# Altium PCB Minion_Rev2.PcbDoc (part 8 of 11) (continued)
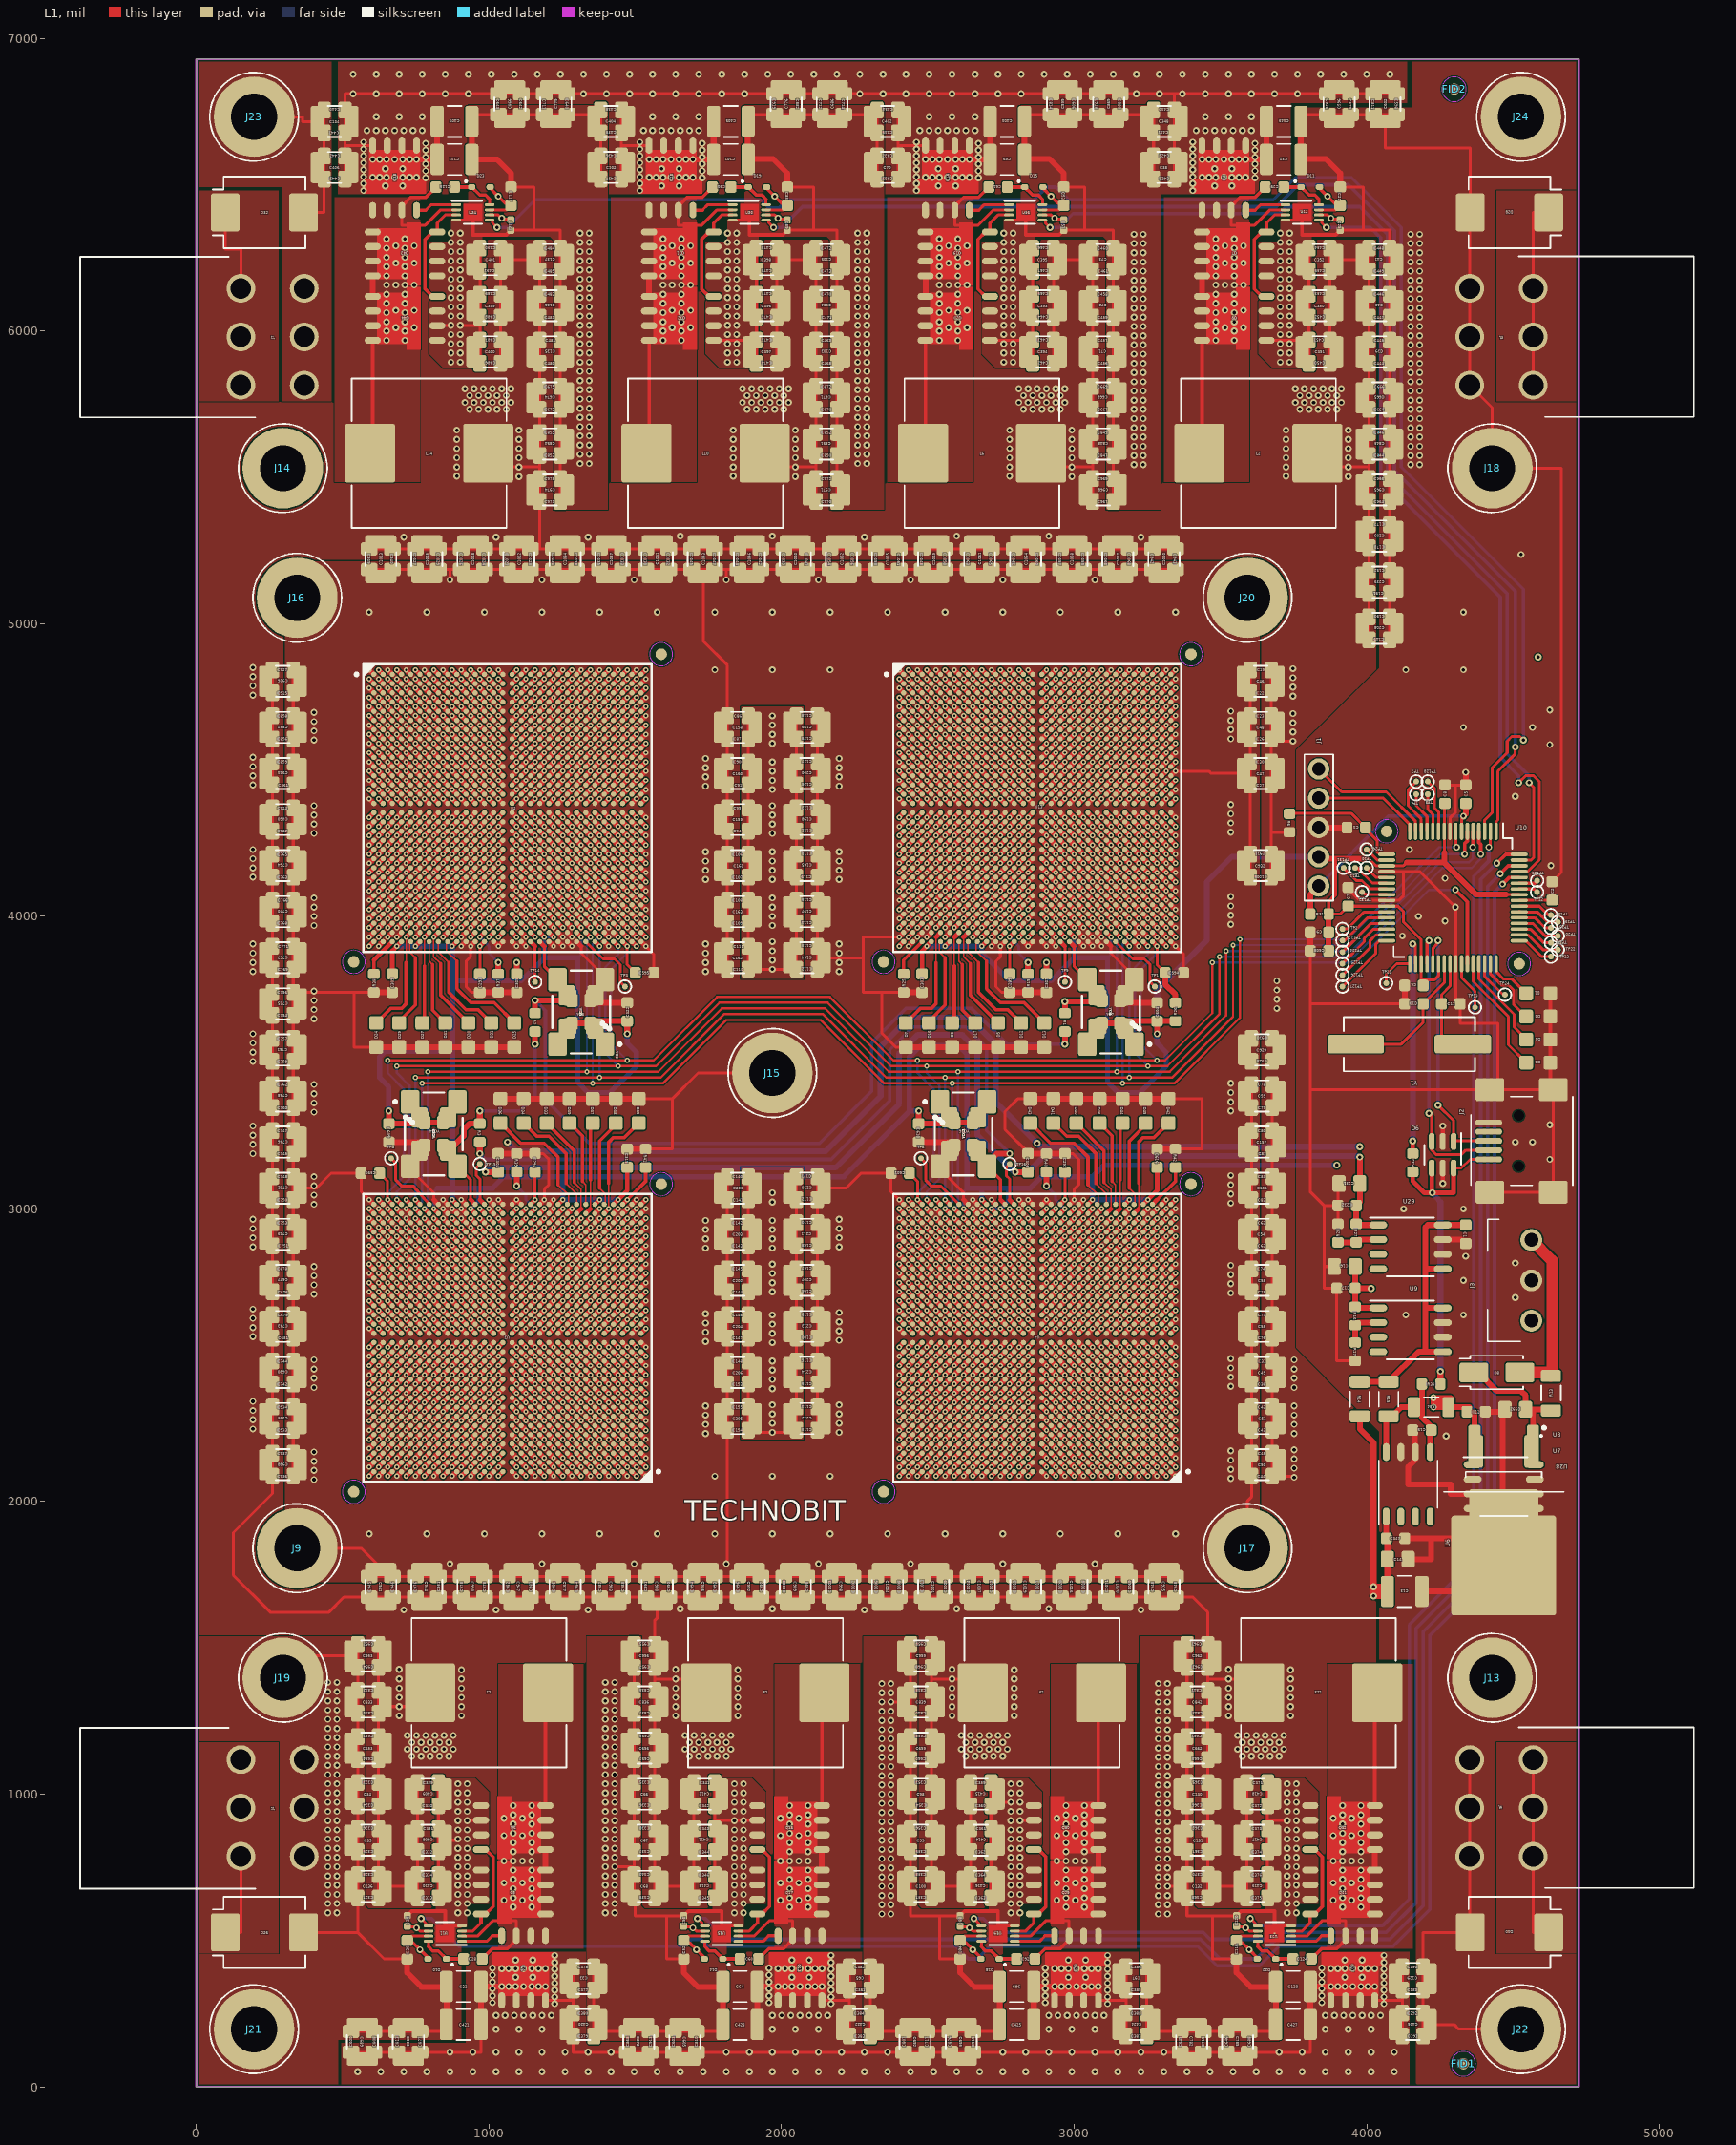
[diagram p0: L1 view]
## Nets (pads, with @x,y where several pads share a name; then routed paths per layer and width w, separated by ;. In a path a pad name is that pad's centre, name@x,y a point inside that pad or via, vN(x,y) a via of type N, cw(c..) or ccw(c..) an arc to the next point about the centre after c; other vN are vias at no path point) (continued)
  L1 w9.84: J23.1@196.85,6732.28 362.2,6732.28 362.2,6716.2 C134.1@413.07,6716.2 436.69,6716.2 ; J19.1@295.28,1397.64 370.08,1472.44 C953.1@527.56,1472.44 551.18,1472.44 ; C936.2@330.71,2086.61 330.71,2125.98 ; C927.2@330.71,4842.52 330.71,4803.15 ; J9.1@344.49,1840.55 562.99,1840.55 629.92,1773.62 C941.1@629.92,1767.72 629.92,1744.09 ; C938.1@354.33,2125.98 330.71,2125.98 ; C995.1@354.33,2283.46 330.71,2283.46 ; C680.1@354.33,2440.94 330.71,2440.94 ; C743.1@354.33,2598.43 330.71,2598.43 ; C677.1@354.33,2755.91 330.71,2755.91 ; C749.1@354.33,2913.39 330.71,2913.39 ; C746.1@354.33,3228.35 330.71,3228.35 ; C758.1@354.33,3385.83 330.71,3385.83 ; C761.1@354.33,3543.31 330.71,3543.31 ; C755.1@354.33,3700.79 330.71,3700.79 ; C767.1@354.33,3858.27 330.71,3858.27 ; C770.1@354.33,4015.75 330.71,4015.75 ; C764.1@354.33,4173.23 330.71,4173.23 ; C860.1@354.33,4330.71 330.71,4330.71 ; C923.1@354.33,4488.19 330.71,4488.19 ; C857.1@354.33,4645.67 330.71,4645.67 ; C926.1@354.33,4803.15 330.71,4803.15 ; D26.2@366.14,527.56 551.18,527.56 ; D32.2@366.14,6405.51 436.69,6405.51 C443.2@436.69,6519.35 436.69,6558.72 ; C406.1@413.07,6558.72 436.69,6558.72 ; C440.2@436.69,6755.57 436.69,6716.2 ; C600.2@527.56,188.98 566.93,188.98 ; C236.1@527.56,685.04 551.18,685.04 ; C35.1@527.56,842.52 551.18,842.52 ; C34.1@527.56,1000 551.18,1000 ; C653.1@527.56,1157.48 551.18,1157.48 ; C833.1@527.56,1314.96 551.18,1314.96 ; C952.2@551.18,1511.81 551.18,1472.44 ; C689.1@566.93,212.6 566.93,188.98 ; C945.2@590.55,1744.09 629.92,1744.09 ; v1(590.55,3031.5) 562.99,3059.06 C597.2@562.99,3122.05 460.63,3122.05 409.45,3070.87 C752.1@354.33,3070.87 330.71,3070.87 ; C939.2@590.55,5185.04 629.92,5185.04 ; R38.1@606.3,3740.16 539.37,3740.16 ; D24.1@614.17,3553.15 539.37,3553.15 539.37,3740.16 ; C1013.1@629.92,5161.42 629.92,5185.04 ; C20.1@720.47,437.01 641.73,437.01 551.18,527.56 ; C593.1@724.41,212.6 724.41,188.98 ; YO14.2@731.3,3134.84 811.02,3055.12 811.02,3031.5 ; C944.1@787.4,1767.72 787.4,1744.09 ; C1025.1@787.4,5161.42 787.4,5185.04 ; Q44.2@822.83,6018.31 870.08,6018.31 v2(870.08,6019.69) ; C333.2@826.77,645.67 826.77,685.04 ; C329.2@826.77,1039.37 826.77,1000 ; 850.39,550.2 U11.4@907.48,550.2 ; C410.1@850.39,685.04 826.77,685.04 ; C409.1@850.39,1000 826.77,1000 ; C421.1@854.33,212.6 854.33,188.98 C877.2@763.78,188.98 724.41,188.98 ; v2(866.14,5149.61) 866.14,5185.04 ; U24.4@887.8,6378.94 944.88,6378.94 ; v2(893.7,846.46) 893.7,842.52 C408.1@850.39,842.52 826.77,842.52 ; v2(901.57,6019.69) C488.2@968.5,6019.69 ; v2(925.2,909.45) 926.57,910.83 Q6.2@972.44,910.83 ; v1(937.01,3897.64) 937.01,3862.2 921.26,3846.46 921.26,3759.84 940.94,3740.16 C293.1@968.5,3740.16 ; C407.1@940.94,6716.54 940.94,6740.16 C643.2@1031.5,6740.16 1070.87,6740.16 ; C950.1@944.88,1767.72 944.88,1744.09 ; C1028.1@944.88,5161.42 944.88,5185.04 ; C400.1@944.88,5929.13 968.5,5929.13 ; C399.1@944.88,6086.61 968.5,6086.61 ; C401.1@944.88,6244.09 968.5,6244.09 ; C486.2@968.5,5889.76 968.5,5929.13 ; C490.2@968.5,6283.46 968.5,6244.09 ; C866.1@1070.87,6716.54 1070.87,6740.16 ; C121.2@1074.8,6344.49 1153.54,6344.49 ; C117.1@1074.8,6492.13 1153.54,6492.13 1153.54,6344.49 ; C947.1@1102.36,1767.72 1102.36,1744.09 ; C1022.1@1102.36,5161.42 1102.36,5185.04 ; C294.1@1157.48,3188.98 1185.04,3188.98 1204.72,3169.29 1204.72,3082.68 1188.98,3066.93 v1(1188.98,3031.5) ; C779.1@1228.35,6716.54 1228.35,6740.16 ; C973.2@1244.09,5417.32 1244.09,5456.69 ; C977.1@1259.84,1767.72 1259.84,1744.09 ; C1034.1@1259.84,5161.42 1259.84,5185.04 ; C974.1@1267.72,5456.69 1244.09,5456.69 ; C854.1@1267.72,5614.17 1244.09,5614.17 ; C674.1@1267.72,5771.65 1244.09,5771.65 ; C135.1@1267.72,5929.13 1244.09,5929.13 ; C136.1@1267.72,6086.61 1244.09,6086.61 ; C137.1@1267.72,6244.09 1244.09,6244.09 ; 1314.96,3897.64 1314.96,3874.02 YO8.2@1394.68,3794.29 ; C379.2@1358.27,173.23 1358.27,212.6 ; C378.2@1358.27,409.45 1358.27,370.08 ; C102.1@1358.27,6559.06 1381.89,6559.06 ; C404.1@1358.27,6716.54 1381.89,6716.54 ; C33.1@1381.89,370.08 1358.27,370.08 ; C437.2@1381.89,6519.69 1381.89,6559.06 ; C438.2@1381.89,6755.91 C438.2@1381.89,6740.16 ; C983.1@1417.32,1767.72 1417.32,1744.09 ; C1037.1@1417.32,5161.42 1417.32,5185.04 ; v2(1429.13,751.97) C340.2@1496.06,751.97 ; C68.1@1472.44,685.04 1496.06,685.04 ; C67.1@1472.44,842.52 1496.06,842.52 ; C66.1@1472.44,1000 1496.06,1000 ; C656.1@1472.44,1157.48 1496.06,1157.48 ; C836.1@1472.44,1314.96 1496.06,1314.96 ; C956.1@1472.44,1472.44 1496.06,1472.44 ; C955.2@1496.06,1511.81 1496.06,1472.44 ; C872.1@1511.81,212.6 1511.81,188.98 ; D35.1@1511.81,3375.98 1625.98,3375.98 ; R41.1@1535.43,3204.72 1625.98,3204.72 1625.98,3375.98 ; v1(1535.43,3897.64) 1562.99,3870.08 C595.2@1562.99,3807.09 ; C980.1@1574.8,1767.72 1574.8,1744.09 ; C1031.1@1574.8,5161.42 1574.8,5185.04 ; C52.1@1665.35,437.01 1606.3,437.01 1606.3,584.65 ; C56.2@1665.35,584.65 1606.3,584.65 ; C605.1@1669.29,212.6 1669.29,188.98 ; C986.1@1732.28,1767.72 1732.28,1744.09 ; Q32.1@1767.72,5968.31 1913.19,5968.31 C475.2@1913.39,5968.5 ; C345.2@1771.65,645.67 1771.65,685.04 ; C341.2@1771.65,1039.37 1771.65,1000 ; C205.1@1791.34,2283.46 1814.96,2283.46 ; C206.1@1791.34,2440.94 1814.96,2440.94 ; C204.1@1791.34,2598.43 1814.96,2598.43 ; C202.1@1791.34,2755.91 1814.96,2755.91 ; C203.1@1791.34,2913.39 1814.96,2913.39 ; C201.1@1791.34,3070.87 1814.96,3070.87 ; C162.1@1791.34,3858.27 1814.96,3858.27 ; C163.1@1791.34,4015.75 1814.96,4015.75 ; C161.1@1791.34,4173.23 1814.96,4173.23 ; C159.1@1791.34,4330.71 1814.96,4330.71 ; C160.1@1791.34,4488.19 1814.96,4488.19 ; C158.1@1791.34,4645.67 1814.96,4645.67 ; 1795.28,550.2 U15.4@1852.36,550.2 ; C413.1@1795.28,685.04 1771.65,685.04 ; C411.1@1795.28,842.52 1771.65,842.52 ; C412.1@1795.28,1000 1771.65,1000 ; C423.1@1799.21,212.6 1799.21,188.98 C810.2@1708.66,188.98 1669.29,188.98 ; v2(1811.02,1787.4) 1814.96,1787.4 C154.1@1814.96,2244.09 1814.96,2283.46 ; v2(1811.02,5149.61) 1811.02,5185.04 ; C140.1@1814.96,3110.24 1814.96,3070.87 ; C110.1@1814.96,3818.9 1814.96,3858.27 ; U20.4@1832.68,6378.94 1889.76,6378.94 ; C405.1@1885.83,6716.54 1885.83,6740.16 C919.2@1976.38,6740.16 2015.75,6740.16 ; C992.1@1889.76,1767.72 1889.76,1744.09 ; C1046.1@1889.76,5161.42 1889.76,5185.04 ; C397.1@1889.76,5929.13 1913.39,5929.13 ; C396.1@1889.76,6086.61 1913.39,6086.61 ; C398.1@1889.76,6244.09 1913.39,6244.09 ; C474.2@1913.39,5889.76 1913.39,5929.13 ; C478.2@1913.39,6283.46 1913.39,6244.09 ; Q18.2@1917.32,910.83 1871.46,910.83 v2(1870.08,909.45) v2(1838.58,909.45) C343.2@1771.65,909.45 ; J15.1@1968.5,3464.57 1714.57,3464.57 1625.98,3375.98 ; C776.1@2015.75,6716.54 2015.75,6740.16 ; C89.2@2019.68,6344.49 2110.24,6344.49 ; C85.1@2019.68,6492.13 2110.24,6492.13 2110.24,6344.49 ; C989.1@2047.24,1767.72 2047.24,1744.09 ; C1040.1@2047.24,5161.42 2047.24,5185.04 ; C173.1@2122.05,2244.09 2122.05,2283.46 ; C171.1@2122.05,3110.24 2122.05,3070.87 ; C112.1@2122.05,3818.9 2122.05,3858.27 ; C138.1@2122.05,4685.04 2122.05,4645.67 ; C212.1@2145.67,2283.46 2122.05,2283.46 ; C214.1@2145.67,2440.94 2122.05,2440.94 ; C213.1@2145.67,2598.43 2122.05,2598.43 ; C207.1@2145.67,2755.91 2122.05,2755.91 ; C211.1@2145.67,2913.39 2122.05,2913.39 ; C197.1@2145.67,4015.75 2122.05,4015.75 ; C165.1@2145.67,4173.23 2122.05,4173.23 ; C198.1@2145.67,4330.71 2122.05,4330.71 ; C200.1@2145.67,4488.19 2122.05,4488.19 ; C199.1@2145.67,4645.67 2122.05,4645.67 ; C686.1@2173.23,6716.54 2173.23,6740.16 ; C970.2@2188.98,5417.32 2188.98,5456.69 ; C998.1@2204.72,1767.72 2204.72,1744.09 ; C1052.1@2204.72,5161.42 2204.72,5185.04 ; C971.1@2212.6,5456.69 2188.98,5456.69 ; C851.1@2212.6,5614.17 2188.98,5614.17 ; C671.1@2212.6,5771.65 2188.98,5771.65 ; C103.1@2212.6,5929.13 2188.98,5929.13 ; C104.1@2212.6,6086.61 2188.98,6086.61 ; C105.1@2212.6,6244.09 2188.98,6244.09 ; C383.2@2303.15,173.23 2303.15,212.6 ; C382.2@2303.15,409.45 2303.15,370.08 ; C70.1@2303.15,6559.06 2326.77,6559.06 ; C402.1@2303.15,6716.54 2326.77,6716.54 ; C65.1@2326.77,370.08 2303.15,370.08 ; C433.2@2326.77,6519.69 2326.77,6559.06 ; C434.2@2326.77,6755.91 C434.2@2326.77,6740.16 ; C1004.1@2362.2,1767.72 2362.2,1744.09 ; C1055.1@2362.2,5161.42 2362.2,5185.04 ; v2(2374.02,1314.96) C839.1@2417.32,1314.96 2440.94,1314.96 ; v1(2401.57,3031.5) 2374.02,3059.06 C601.2@2374.02,3122.05 2271.65,3122.05 2220.47,3070.87 C210.1@2145.67,3070.87 2122.05,3070.87 ; v1(2401.57,3929.13) 2279.53,3929.13 2279.53,3858.27 ; C100.1@2417.32,685.04 2440.94,685.04 ; C99.1@2417.32,842.52 2440.94,842.52 ; C98.1@2417.32,1000 2440.94,1000 ; C659.1@2417.32,1157.48 2440.94,1157.48 ; C959.1@2417.32,1472.44 2440.94,1472.44 ; R25.1@2417.32,3740.16 2342.52,3740.16 ; D7.1@2425.2,3553.15 2389.76,3553.15 2342.52,3600.39 2342.52,3740.16 ; C958.2@2440.94,1511.81 2440.94,1472.44 ; C692.1@2456.69,212.6 2456.69,188.98 ; C1001.1@2519.68,1767.72 2519.68,1744.09 ; C1049.1@2519.68,5161.42 2519.68,5185.04 ; YO16.2@2542.32,3134.84 2622.05,3055.12 2622.05,3031.5 ; C84.1@2610.24,437.01 2539.37,437.01 2539.37,584.65 ; C88.2@2610.24,584.65 2539.37,584.65 ; C695.1@2614.17,212.6 2614.17,188.98 ; C1007.1@2677.17,1767.72 2677.17,1744.09 ; C1061.1@2677.17,5161.42 2677.17,5185.04 ; Q20.1@2712.6,5968.31 2858.07,5968.31 C463.2@2858.27,5968.5 ; C363.2@2716.54,645.67 2716.54,685.04 ; C359.2@2716.54,1039.37 2716.54,1000 ; 2740.16,550.2 U19.4@2797.24,550.2 ; C416.1@2740.16,685.04 2716.54,685.04 ; C414.1@2740.16,842.52 2716.54,842.52 ; C415.1@2740.16,1000 2716.54,1000 ; C425.1@2744.09,212.6 2744.09,188.98 C915.2@2653.54,188.98 2614.17,188.98 ; v1(2748.03,3897.64) 2748.03,3862.2 2732.28,3846.46 2732.28,3759.84 2751.97,3740.16 C289.1@2779.53,3740.16 ; U16.4@2777.56,6378.94 2834.65,6378.94 ; v2(2783.46,972.44) C360.2@2716.54,972.44 ; v2(2814.96,909.45) 2816.34,910.83 Q30.2@2862.2,910.83 ; C403.1@2830.71,6716.54 2830.71,6740.16 C814.2@2921.26,6740.16 2960.63,6740.16 ; C1019.1@2834.65,1767.72 2834.65,1744.09 ; C1064.1@2834.65,5161.42 2834.65,5185.04 ; C394.1@2834.65,5929.13 2858.27,5929.13 ; C393.1@2834.65,6086.61 2858.27,6086.61 ; C395.1@2834.65,6244.09 2858.27,6244.09 ; C306.1@2842.52,3188.98 2842.52,3192.91 2763.78,3271.65 2763.78,3332.68 2807.09,3375.98 D43.1@2850.39,3375.98 ; C462.2@2858.27,5889.76 2858.27,5929.13 ; C466.2@2858.27,6283.46 2858.27,6244.09 ; C599.1@2960.63,6716.54 2960.63,6740.16 ; C57.2@2964.57,6344.49 3035.43,6344.49 ; C53.1@2964.57,6492.13 3035.43,6492.13 3035.43,6344.49 ; C291.1@2968.5,3188.98 2996.06,3188.98 3015.75,3169.29 3015.75,3082.68 3000,3066.93 v1(3000,3031.5) ; C1016.1@2992.13,1767.72 2992.13,1744.09 ; C1058.1@2992.13,5161.42 2992.13,5185.04 ; C869.1@3118.11,6716.54 3118.11,6740.16 ; 3125.98,3897.64 3125.98,3874.02 3205.71,3794.29 YO7.2@3205.71,3782.48 ; C967.2@3133.86,5417.32 3133.86,5456.69 ; C1070.1@3149.61,1767.72 3149.61,1744.09 ; C1067.1@3149.61,5161.42 3149.61,5185.04 ; YO4.2@3157.48,3712.6 YO6.2@3165.35,3720.47 ; C968.1@3157.48,5456.69 3133.86,5456.69 ; C848.1@3157.48,5614.17 3133.86,5614.17 ; C668.1@3157.48,5771.65 3133.86,5771.65 ; C71.1@3157.48,5929.13 3133.86,5929.13 ; C72.1@3157.48,6086.61 3133.86,6086.61 ; C73.1@3157.48,6244.09 3133.86,6244.09 ; YO5.2@3165.35,3722.44 YO6.2@3165.35,3720.47 ; YO7.2@3206.69,3783.46 YO7.2@3205.71,3782.48 ; C387.2@3248.03,173.23 3248.03,212.6 ; C386.2@3248.03,409.45 3248.03,370.08 ; C38.1@3248.03,6559.06 3271.65,6559.06 ; C348.1@3248.03,6716.54 3271.65,6716.54 ; C97.1@3271.65,370.08 3248.03,370.08 ; C429.2@3271.65,6519.69 3271.65,6559.06 ; C430.2@3271.65,6755.91 C430.2@3271.65,6740.16 ; C935.1@3307.09,1767.72 3307.09,1744.09 ; C1010.1@3307.09,5161.42 3307.09,5185.04 ; v2(3318.9,685.04) C132.1@3362.2,685.04 3385.83,685.04 ; D42.1@3322.83,3375.98 3437.01,3375.98 3437.01,3204.72 R42.1@3346.46,3204.72 ; C949.2@3346.46,1744.09 3307.09,1744.09 ; v1(3346.46,3897.64) 3374.02,3870.08 C594.2@3374.02,3807.09 ; v1(3346.46,4496.06) 3460.63,4496.06 3468.5,4488.19 C47.1@3578.74,4488.19 3602.36,4488.19 ; C943.2@3346.46,5185.04 3307.09,5185.04 ; C131.1@3362.2,842.52 3385.83,842.52 ; C130.1@3362.2,1000 3385.83,1000 ; C662.1@3362.2,1157.48 3385.83,1157.48 ; C842.1@3362.2,1314.96 3385.83,1314.96 ; C962.1@3362.2,1472.44 3385.83,1472.44 ; C961.2@3385.83,1511.81 3385.83,1472.44 ; C782.1@3401.57,212.6 3401.57,188.98 ; C116.1@3555.12,437.01 3472.44,437.01 3472.44,584.65 ; C120.2@3555.12,584.65 3472.44,584.65 ; C785.1@3559.06,212.6 3559.06,188.98 ; C932.1@3578.74,4173.23 3602.36,4173.23 ; C48.1@3578.74,4645.67 3602.36,4645.67 ; C46.1@3578.74,4803.15 3602.36,4803.15 ; C50.1@3582.68,2125.98 3606.3,2125.98 ; C51.1@3582.68,2283.46 3606.3,2283.46 ; C49.1@3582.68,2440.94 3606.3,2440.94 ; C55.1@3582.68,2598.43 3606.3,2598.43 ; C58.1@3582.68,2755.91 3606.3,2755.91 ; C54.1@3582.68,2913.39 3606.3,2913.39 ; C156.1@3582.68,3070.87 3606.3,3070.87 ; C157.1@3582.68,3228.35 3606.3,3228.35 ; C59.1@3582.68,3385.83 3606.3,3385.83 ; J17.1@3592.52,1840.55 3592.52,2001.97 3606.3,2015.75 C44.1@3606.3,2086.61 3606.3,2125.98 ; C1005.2@3602.36,4133.86 3602.36,4173.23 ; C19.1@3602.36,4842.52 3602.36,4803.15 ; C78.1@3606.3,3425.2 3606.3,3385.83 ; Q8.1@3657.48,5968.31 3802.95,5968.31 C451.2@3803.15,5968.5 ; C375.2@3661.42,645.67 3661.42,685.04 ; C371.2@3661.42,1039.37 3661.42,1000 ; 3685.04,550.2 U23.4@3742.13,550.2 ; C419.1@3685.04,685.04 3661.42,685.04 ; C417.1@3685.04,842.52 3661.42,842.52 ; C418.1@3685.04,1000 3661.42,1000 ; C427.1@3688.98,212.6 3688.98,188.98 C688.2@3598.43,188.98 3559.06,188.98 ; U12.4@3722.44,6378.94 3779.53,6378.94 ; v2(3728.35,909.45) C373.2@3661.42,909.45 ; C349.1@3775.59,6716.54 3775.59,6740.16 C916.2@3866.14,6740.16 3905.51,6740.16 ; C351.1@3779.53,5929.13 3803.15,5929.13 ; C350.1@3779.53,6086.61 3803.15,6086.61 ; C352.1@3779.53,6244.09 3803.15,6244.09 ; C450.2@3803.15,5889.76 3803.15,5929.13 ; C454.2@3803.15,6283.46 3803.15,6244.09 ; C608.2@3807.09,3881.89 3807.09,3700.79 ; C16.2@3889.76,2803.15 3854.33,2803.15 ; R28.2@3901.57,2948.82 C232.2@3901.57,3011.81 ; C231.2@3905.51,3086.61 3901.57,3082.68 C232.2@3901.57,3011.81 ; C596.1@3905.51,6716.54 3905.51,6740.16 ; C25.2@3909.45,6344.49 3988.19,6344.49 ; C21.1@3909.45,6492.13 3988.19,6492.13 3988.19,6344.49 ; C7.2@3937.01,4098.43 3937.01,4093.7 3976.38,4054.33 U10.25@4068.47,4054.33 4109.44,4054.33 4125.98,4070.87 4125.98,4152.75 ; R17.2@3960.63,2480.31 3897.64,2480.32 C17.2@3897.64,2728.35 3854.33,2728.35 3854.33,2803.15 ; U10.20@4068.47,4152.75 4125.98,4152.75 ; C149.1@4078.74,4944.88 4078.74,4984.25 ; C208.1@4102.36,4984.25 4078.74,4984.25 ; C239.1@4102.36,5141.73 4078.74,5141.73 ; C209.1@4102.36,5299.21 4078.74,5299.21 ; C965.1@4102.36,5456.69 4078.74,5456.69 ; C845.1@4102.36,5614.17 4078.74,5614.17 ; C665.1@4102.36,5771.65 4078.74,5771.65 ; C39.1@4102.36,5929.13 4078.74,5929.13 ; C40.1@4102.36,6086.61 4078.74,6086.61 ; C41.1@4102.36,6244.09 4078.74,6244.09 ; C598.2@4102.36,6740.16 4062.99,6740.16 ; C10.2@4129.92,3700.79 3807.09,3700.79 ; C391.2@4192.91,173.23 4192.91,212.6 ; C129.1@4216.54,370.08 4192.91,370.08 ; C8.2@4267.72,4448.82 4303.15,4448.82 ; U10.9@4285.01,4290.55 4285.01,4336.19 4303.15,4354.33 4303.15,4448.82 ; C5.2@4338.58,4448.82 4303.15,4448.82 ; J6.4@4352.36,1118.11 J6.5@4352.36,952.76 J6.6@4352.36,787.4 4352.36,529.53 D30.2@4354.33,527.56 4192.91,527.56 C390.2@4192.91,409.45 4192.91,370.08 ; J2.9@4421.26,3057.09 J2.8@4637.8,3057.09 J2.7@4637.8,3407.48 4627.95,3407.48 J2.6@4448.82,3407.48 ; J22.1@4527.56,196.85 4314.96,196.85 4299.21,212.6 C426.1@4216.54,212.6 4192.91,212.6 ; C2.2@4633.86,4118.11 4665.35,4149.61 4665.35,5531.5 J18.1@4429.13,5531.5 4429.13,5738.19 J5.6@4352.36,5814.96 J5.5@4352.36,5980.32 J5.4@4352.36,6145.67 4352.36,6403.54 D28.2@4354.33,6405.51 4354.33,6625.98 4062.99,6625.98 C602.1@4062.99,6716.54 4062.99,6740.16 ; 330.71,2125.98 330.71,2283.46 ; 330.71,2283.46 330.71,2440.94 ; 330.71,2440.94 330.71,2598.43 ; 330.71,2598.43 330.71,2755.91 ; 330.71,2755.91 330.71,2913.39 ; 330.71,2913.39 330.71,3070.87 ; 330.71,3070.87 C745.2@330.71,3188.98 330.71,3228.35 ; 330.71,3228.35 330.71,3385.83 ; 330.71,3385.83 C759.2@330.71,3503.94 330.71,3543.31 ; 330.71,3543.31 330.71,3700.79 ; 330.71,3700.79 C756.2@330.71,3740.16 ; C756.2@330.71,3740.16 539.37,3740.16 ; C756.2@330.71,3740.16 330.71,3858.27 ; 330.71,3858.27 C768.2@330.71,3976.38 330.71,4015.75 ; 330.71,4015.75 C763.2@330.71,4133.86 330.71,4173.23 ; 330.71,4173.23 330.71,4330.71 ; 330.71,4330.71 330.71,4488.19 ; 330.71,4488.19 330.71,4645.67 ; 330.71,4645.67 330.71,4803.15 ; 436.69,6558.72 C442.2@436.69,6598.09 C441.2@436.69,6676.83 436.69,6716.2 ; 551.18,527.56 C327.2@551.18,645.67 551.18,685.04 ; 551.18,685.04 C328.2@551.18,724.41 C325.2@551.18,803.15 551.18,842.52 ; 551.18,842.52 C326.2@551.18,881.89 C324.2@551.18,960.63 551.18,1000 ; 551.18,1000 C323.2@551.18,1039.37 C654.2@551.18,1118.11 551.18,1157.48 ; 551.18,1157.48 C652.2@551.18,1196.85 C834.2@551.18,1275.59 551.18,1314.96 ; 551.18,1314.96 C832.2@551.18,1354.33 C954.2@551.18,1433.07 551.18,1472.44 ; 566.93,188.98 C808.2@606.3,188.98 C813.2@685.04,188.98 724.41,188.98 ; 629.92,1744.09 C946.2@669.29,1744.09 C976.2@748.03,1744.09 787.4,1744.09 ; 629.92,5185.04 787.4,5185.04 ; 787.4,1744.09 C951.2@826.77,1744.09 C978.2@905.51,1744.09 944.88,1744.09 ; 787.4,5185.04 866.14,5185.04 ; 826.77,685.04 C332.2@826.77,803.15 826.77,842.52 ; 826.77,842.52 826.77,1000 ; 866.14,5185.04 944.88,5185.04 ; 944.88,1744.09 C979.2@984.25,1744.09 C982.2@1062.99,1744.09 1102.36,1744.09 ; 944.88,5185.04 1102.36,5185.04 ; 968.5,5929.13 C487.2@968.5,5968.5 C488.2@968.5,6019.69 ; C488.2@968.5,6019.69 C488.2@968.5,6047.24 968.5,6086.61 ; 968.5,6086.61 C489.2@968.5,6125.98 C491.2@968.5,6204.72 968.5,6244.09 ; 1070.87,6740.16 C642.2@1110.24,6740.16 C711.2@1188.98,6740.16 1228.35,6740.16 ; 1102.36,1744.09 C981.2@1141.73,1744.09 C985.2@1220.47,1744.09 1259.84,1744.09 ; 1102.36,5185.04 1259.84,5185.04 ; 1153.54,6344.49 1244.09,6344.49 C484.2@1244.09,6283.46 1244.09,6244.09 ; 1228.35,6740.16 C640.2@1267.72,6740.16 C438.2@1381.89,6740.16 ; 1244.09,5456.69 C975.2@1244.09,5496.06 C853.2@1244.09,5574.8 1244.09,5614.17 ; 1244.09,5614.17 C855.2@1244.09,5653.54 C673.2@1244.09,5732.28 1244.09,5771.65 ; 1244.09,5771.65 C675.2@1244.09,5811.02 C480.2@1244.09,5889.76 1244.09,5929.13 ; 1244.09,5929.13 C481.2@1244.09,5968.5 C483.2@1244.09,6047.24 1244.09,6086.61 ; 1244.09,6086.61 C482.2@1244.09,6125.98 C485.2@1244.09,6204.72 1244.09,6244.09 ; 1259.84,1744.09 C984.2@1299.21,1744.09 C987.2@1377.95,1744.09 1417.32,1744.09 ; 1259.84,5185.04 1417.32,5185.04 ; 1358.27,212.6 C380.2@1358.27,251.97 C377.2@1358.27,330.71 1358.27,370.08 ; 1358.27,212.6 C420.1@1381.89,212.6 1381.89,188.98 C868.2@1472.44,188.98 1511.81,188.98 ; 1381.89,6559.06 C436.2@1381.89,6598.43 C439.2@1381.89,6677.17 1381.89,6716.54 ; 1381.89,6716.54 C438.2@1381.89,6740.16 ; 1417.32,1744.09 C988.2@1456.69,1744.09 C991.2@1535.43,1744.09 1574.8,1744.09 ; 1417.32,5185.04 1574.8,5185.04 ; 1496.06,685.04 C340.2@1496.06,751.97 ; 1496.06,685.04 C339.2@1496.06,645.67 1500,641.73 1500,584.65 1606.3,584.65 ; C340.2@1496.06,751.97 1496.06,842.52 ; 1496.06,842.52 1496.06,1000 ; 1496.06,1000 1496.06,1157.48 ; 1496.06,1157.48 1496.06,1314.96 ; 1496.06,1314.96 C957.2@1496.06,1433.07 1496.06,1472.44 ; 1511.81,188.98 C913.2@1551.18,188.98 C603.2@1629.92,188.98 1669.29,188.98 ; 1574.8,1744.09 C990.2@1614.17,1744.09 C994.2@1692.91,1744.09 1732.28,1744.09 ; 1574.8,5185.04 1732.28,5185.04 ; 1732.28,1744.09 C993.2@1771.65,1744.09 C996.2@1850.39,1744.09 1889.76,1744.09 ; 1732.28,5185.04 1811.02,5185.04 ; 1732.28,5185.04 C1043.1@1732.28,5161.42 1732.28,4940.94 1814.96,4858.27 C86.1@1814.96,4685.04 1814.96,4645.67 ; 1771.65,685.04 1771.65,842.52 ; 1771.65,842.52 C343.2@1771.65,909.45 ; C343.2@1771.65,909.45 1771.65,1000 ; 1811.02,5185.04 1889.76,5185.04 ; 1814.96,2283.46 C155.1@1814.96,2322.83 C153.1@1814.96,2401.57 1814.96,2440.94 ; 1814.96,2440.94 C148.1@1814.96,2480.32 C147.1@1814.96,2559.06 1814.96,2598.43 ; 1814.96,2598.43 C146.1@1814.96,2637.8 C144.1@1814.96,2716.54 1814.96,2755.91 ; 1814.96,2755.91 C145.1@1814.96,2795.28 C143.1@1814.96,2874.02 1814.96,2913.39 ; 1814.96,2913.39 C142.1@1814.96,2952.76 C141.1@1814.96,3031.5 1814.96,3070.87 ; 1814.96,3858.27 C111.1@1814.96,3897.64 C109.1@1814.96,3976.38 1814.96,4015.75 ; 1814.96,4015.75 C108.1@1814.96,4055.12 C107.1@1814.96,4133.86 1814.96,4173.23 ; 1814.96,4173.23 C106.1@1814.96,4212.6 C94.1@1814.96,4291.34 1814.96,4330.71 ; 1814.96,4330.71 C95.1@1814.96,4370.08 C91.1@1814.96,4448.82 1814.96,4488.19 ; 1814.96,4488.19 C90.1@1814.96,4527.56 C87.1@1814.96,4606.3 1814.96,4645.67 ; 1889.76,1744.09 C997.2@1929.13,1744.09 C1000.2@2007.87,1744.09 2047.24,1744.09 ; 1889.76,5185.04 C1042.2@1929.13,5185.04 2047.24,5185.04 ; 1913.39,5929.13 C475.2@1913.39,5968.5 ; C475.2@1913.39,5968.5 C476.2@1913.39,6047.24 1913.39,6086.61 ; 1913.39,6086.61 C477.2@1913.39,6125.98 C479.2@1913.39,6204.72 1913.39,6244.09 ; 2015.75,6740.16 C882.2@2055.12,6740.16 C712.2@2133.86,6740.16 2173.23,6740.16 ; 2047.24,1744.09 C999.2@2086.61,1744.09 C1003.2@2165.35,1744.09 2204.72,1744.09 ; 2047.24,5185.04 2204.72,5185.04 ; 2110.24,6344.49 2188.98,6344.49 C472.2@2188.98,6283.46 2188.98,6244.09 ; 2122.05,2283.46 2122.05,2440.94 ; 2122.05,2440.94 2122.05,2598.43 ; 2122.05,2598.43 2122.05,2755.91 ; 2122.05,2755.91 2122.05,2913.39 ; 2122.05,2913.39 2122.05,3070.87 ; 2122.05,3858.27 2122.05,4015.75 ; 2122.05,3858.27 C164.1@2145.67,3858.27 2279.53,3858.27 ; 2122.05,4015.75 C119.1@2122.05,4133.86 2122.05,4173.23 ; 2122.05,4173.23 2122.05,4330.71 ; 2122.05,4330.71 2122.05,4488.19 ; 2122.05,4488.19 2122.05,4645.67 ; 2173.23,6740.16 C714.2@2212.6,6740.16 C434.2@2326.77,6740.16 ; 2188.98,5456.69 C972.2@2188.98,5496.06 C850.2@2188.98,5574.8 2188.98,5614.17 ; 2188.98,5614.17 C852.2@2188.98,5653.54 C670.2@2188.98,5732.28 2188.98,5771.65 ; 2188.98,5771.65 C672.2@2188.98,5811.02 C468.2@2188.98,5889.76 2188.98,5929.13 ; 2188.98,5929.13 C469.2@2188.98,5968.5 C471.2@2188.98,6047.24 2188.98,6086.61 ; 2188.98,6086.61 C470.2@2188.98,6125.98 C473.2@2188.98,6204.72 2188.98,6244.09 ; 2204.72,1744.09 C1002.2@2244.09,1744.09 C1006.2@2322.83,1744.09 2362.2,1744.09 ; 2204.72,5185.04 2362.2,5185.04 ; 2279.53,3858.27 2279.53,3740.16 2342.52,3740.16 ; 2303.15,212.6 C384.2@2303.15,251.97 C381.2@2303.15,330.71 2303.15,370.08 ; 2303.15,212.6 C422.1@2326.77,212.6 2326.77,188.98 C807.2@2417.32,188.98 2456.69,188.98 ; 2326.77,6559.06 C432.2@2326.77,6598.43 C435.2@2326.77,6677.17 2326.77,6716.54 ; 2326.77,6716.54 C434.2@2326.77,6740.16 ; 2362.2,1744.09 C1008.2@2401.57,1744.09 C1011.2@2480.31,1744.09 2519.68,1744.09 ; 2362.2,5185.04 2519.68,5185.04 ; 2440.94,685.04 2440.94,842.52 ; 2440.94,685.04 2440.94,584.65 2539.37,584.65 ; 2440.94,842.52 2440.94,1000 ; 2440.94,1000 2440.94,1157.48 ; 2440.94,1157.48 2440.94,1314.96 ; 2440.94,1314.96 2440.94,1472.44 ; 2456.69,188.98 C717.2@2496.06,188.98 C876.2@2574.8,188.98 2614.17,188.98 ; 2519.68,1744.09 C1009.2@2559.06,1744.09 C1014.2@2637.8,1744.09 2677.17,1744.09 ; 2519.68,5185.04 2677.17,5185.04 ; 2677.17,1744.09 C1012.2@2716.54,1744.09 C1015.2@2795.28,1744.09 2834.65,1744.09 ; 2677.17,5185.04 2834.65,5185.04 ; 2716.54,685.04 C364.2@2716.54,724.41 C362.2@2716.54,803.15 2716.54,842.52 ; 2716.54,842.52 C361.2@2716.54,881.89 C360.2@2716.54,960.63 C360.2@2716.54,972.44 ; C360.2@2716.54,972.44 2716.54,1000 ; 2834.65,1744.09 C1017.2@2874.02,1744.09 C1020.2@2952.76,1744.09 2992.13,1744.09 ; 2834.65,5185.04 2992.13,5185.04 ; 2858.27,5929.13 C463.2@2858.27,5968.5 ; C463.2@2858.27,5968.5 C464.2@2858.27,6047.24 2858.27,6086.61 ; 2858.27,6086.61 C465.2@2858.27,6125.98 C467.2@2858.27,6204.72 2858.27,6244.09 ; 2960.63,6740.16 C606.2@3000,6740.16 C918.2@3078.74,6740.16 3118.11,6740.16 ; 2992.13,1744.09 C1018.2@3031.5,1744.09 C1071.2@3110.24,1744.09 3149.61,1744.09 ; 2992.13,5185.04 3149.61,5185.04 ; 3035.43,6344.49 3133.86,6344.49 3133.86,6244.09 ; 3118.11,6740.16 C880.2@3157.48,6740.16 C430.2@3271.65,6740.16 ; 3133.86,5456.69 C847.2@3133.86,5574.8 3133.86,5614.17 ; 3133.86,5614.17 3133.86,5771.65 ; 3133.86,5771.65 3133.86,5929.13 ; 3133.86,5929.13 3133.86,6086.61 ; 3133.86,6086.61 3133.86,6244.09 ; 3149.61,1744.09 C1069.2@3188.98,1744.09 C948.2@3267.72,1744.09 3307.09,1744.09 ; 3149.61,5185.04 3307.09,5185.04 ; YO6.2@3165.35,3720.47 3166.34,3721.46 YO6.2@3175.2,3730.32 3177.17,3732.28 3177.17,3753.94 YO7.2@3205.71,3782.48 ; 3248.03,212.6 C388.2@3248.03,251.97 C385.2@3248.03,330.71 3248.03,370.08 ; 3248.03,212.6 C424.1@3271.65,212.6 3271.65,188.98 C645.2@3362.2,188.98 3401.57,188.98 ; 3271.65,6559.06 C428.2@3271.65,6598.43 C431.2@3271.65,6677.17 3271.65,6716.54 ; 3271.65,6716.54 C430.2@3271.65,6740.16 ; 3385.83,685.04 3385.83,842.52 ; 3385.83,685.04 3385.83,584.65 3472.44,584.65 ; 3385.83,842.52 C366.2@3385.83,960.63 3385.83,1000 ; 3385.83,1000 3385.83,1157.48 ; 3385.83,1157.48 3385.83,1314.96 ; 3385.83,1314.96 C963.2@3385.83,1433.07 3385.83,1472.44 ; 3401.57,188.98 C715.2@3440.94,188.98 C646.2@3519.68,188.98 3559.06,188.98 ; 3602.36,4173.23 C931.2@3602.36,4212.6 C27.1@3602.36,4448.82 3602.36,4488.19 ; 3602.36,4488.19 C30.1@3602.36,4527.56 C26.1@3602.36,4606.3 3602.36,4645.67 ; 3602.36,4645.67 C23.1@3602.36,4685.04 C22.1@3602.36,4763.78 3602.36,4803.15 ; 3606.3,2125.98 C45.1@3606.3,2165.35 C43.1@3606.3,2244.09 3606.3,2283.46 ; 3606.3,2283.46 C42.1@3606.3,2322.83 C36.1@3606.3,2401.57 3606.3,2440.94 ; 3606.3,2440.94 C31.1@3606.3,2480.32 C76.1@3606.3,2559.06 3606.3,2598.43 ; 3606.3,2598.43 C77.1@3606.3,2637.8 C75.1@3606.3,2716.54 3606.3,2755.91 ; 3606.3,2755.91 C74.1@3606.3,2795.28 C63.1@3606.3,2874.02 3606.3,2913.39 ; 3606.3,2913.39 C62.1@3606.3,2952.76 C82.1@3606.3,3031.5 3606.3,3070.87 ; 3606.3,3070.87 C83.1@3606.3,3110.24 C81.1@3606.3,3188.98 3606.3,3228.35 ; 3606.3,3228.35 C80.1@3606.3,3267.72 C79.1@3606.3,3346.46 3606.3,3385.83 ; 3661.42,685.04 C376.2@3661.42,724.41 C374.2@3661.42,803.15 3661.42,842.52 ; 3661.42,842.52 C373.2@3661.42,881.89 C373.2@3661.42,909.45 ; C373.2@3661.42,909.45 C372.2@3661.42,960.63 3661.42,1000 ; 3803.15,5929.13 C451.2@3803.15,5968.5 ; C451.2@3803.15,5968.5 C452.2@3803.15,6047.24 3803.15,6086.61 ; 3803.15,6086.61 C453.2@3803.15,6125.98 C455.2@3803.15,6204.72 3803.15,6244.09 ; 3807.09,3407.48 J2.6@4448.82,3407.48 ; 3807.09,3407.48 3807.09,3700.79 ; 3807.09,3407.48 3807.09,3059.06 3854.33,3011.81 ; 3854.33,2803.15 3854.33,3011.81 ; 3854.33,3011.81 C232.2@3901.57,3011.81 ; 3905.51,6740.16 C879.2@3944.88,6740.16 C811.2@4023.62,6740.16 4062.99,6740.16 ; 3988.19,6344.49 4078.74,6344.49 4078.74,6244.09 ; 4078.74,4984.25 C151.1@4078.74,5102.36 4078.74,5141.73 ; 4078.74,5141.73 4078.74,5299.21 ; 4078.74,5299.21 4078.74,5456.69 ; 4078.74,5456.69 4078.74,5614.17 ; 4078.74,5614.17 C664.2@4078.74,5732.28 4078.74,5771.65 ; 4078.74,5771.65 4078.74,5929.13 ; 4078.74,5929.13 4078.74,6086.61 ; 4078.74,6086.61 4078.74,6244.09 ; 4125.98,4152.75 4181.89,4152.75 v2(4303.15,4031.5) 4304.69,4029.95 U10.41@4304.69,3837.79 4304.69,3712.6 4316.51,3700.79 C11.2@4318.9,3700.79 4318.9,3633.86 4448.82,3633.86 J2.6@4448.82,3407.48 ; 4192.91,212.6 C392.2@4192.91,251.97 C389.2@4192.91,330.71 4192.91,370.08
  L1 w11.81: C24.2@720.47,584.65 736.22,600.39 850.39,600.39 850.39,550.2 U11.9@850.39,523.62 ; U24.9@944.88,6405.51 944.88,6378.94 944.88,6328.74 1059.06,6328.74 C121.2@1074.8,6344.49 ; C56.2@1665.35,584.65 1681.1,600.39 1795.28,600.39 1795.28,550.2 U15.9@1795.28,523.62 ; U20.9@1889.76,6405.51 1889.76,6378.94 1889.76,6328.74 2003.94,6328.74 C89.2@2019.68,6344.49 ; C88.2@2610.24,584.65 2625.98,600.39 2740.16,600.39 2740.16,550.2 U19.9@2740.16,523.62 ; U16.9@2834.65,6405.51 2834.65,6378.94 2834.65,6328.74 2948.82,6328.74 C57.2@2964.57,6344.49 ; C120.2@3555.12,584.65 3570.87,600.39 3685.04,600.39 3685.04,550.2 U23.9@3685.04,523.62 ; U12.9@3779.53,6405.51 3779.53,6378.94 3779.53,6328.74 3893.7,6328.74 C25.2@3909.45,6344.49 ; J2.7@4627.95,3407.48 D1.1@4627.95,3736.22